# KiCad board PC110.kicad_pcb (continued)
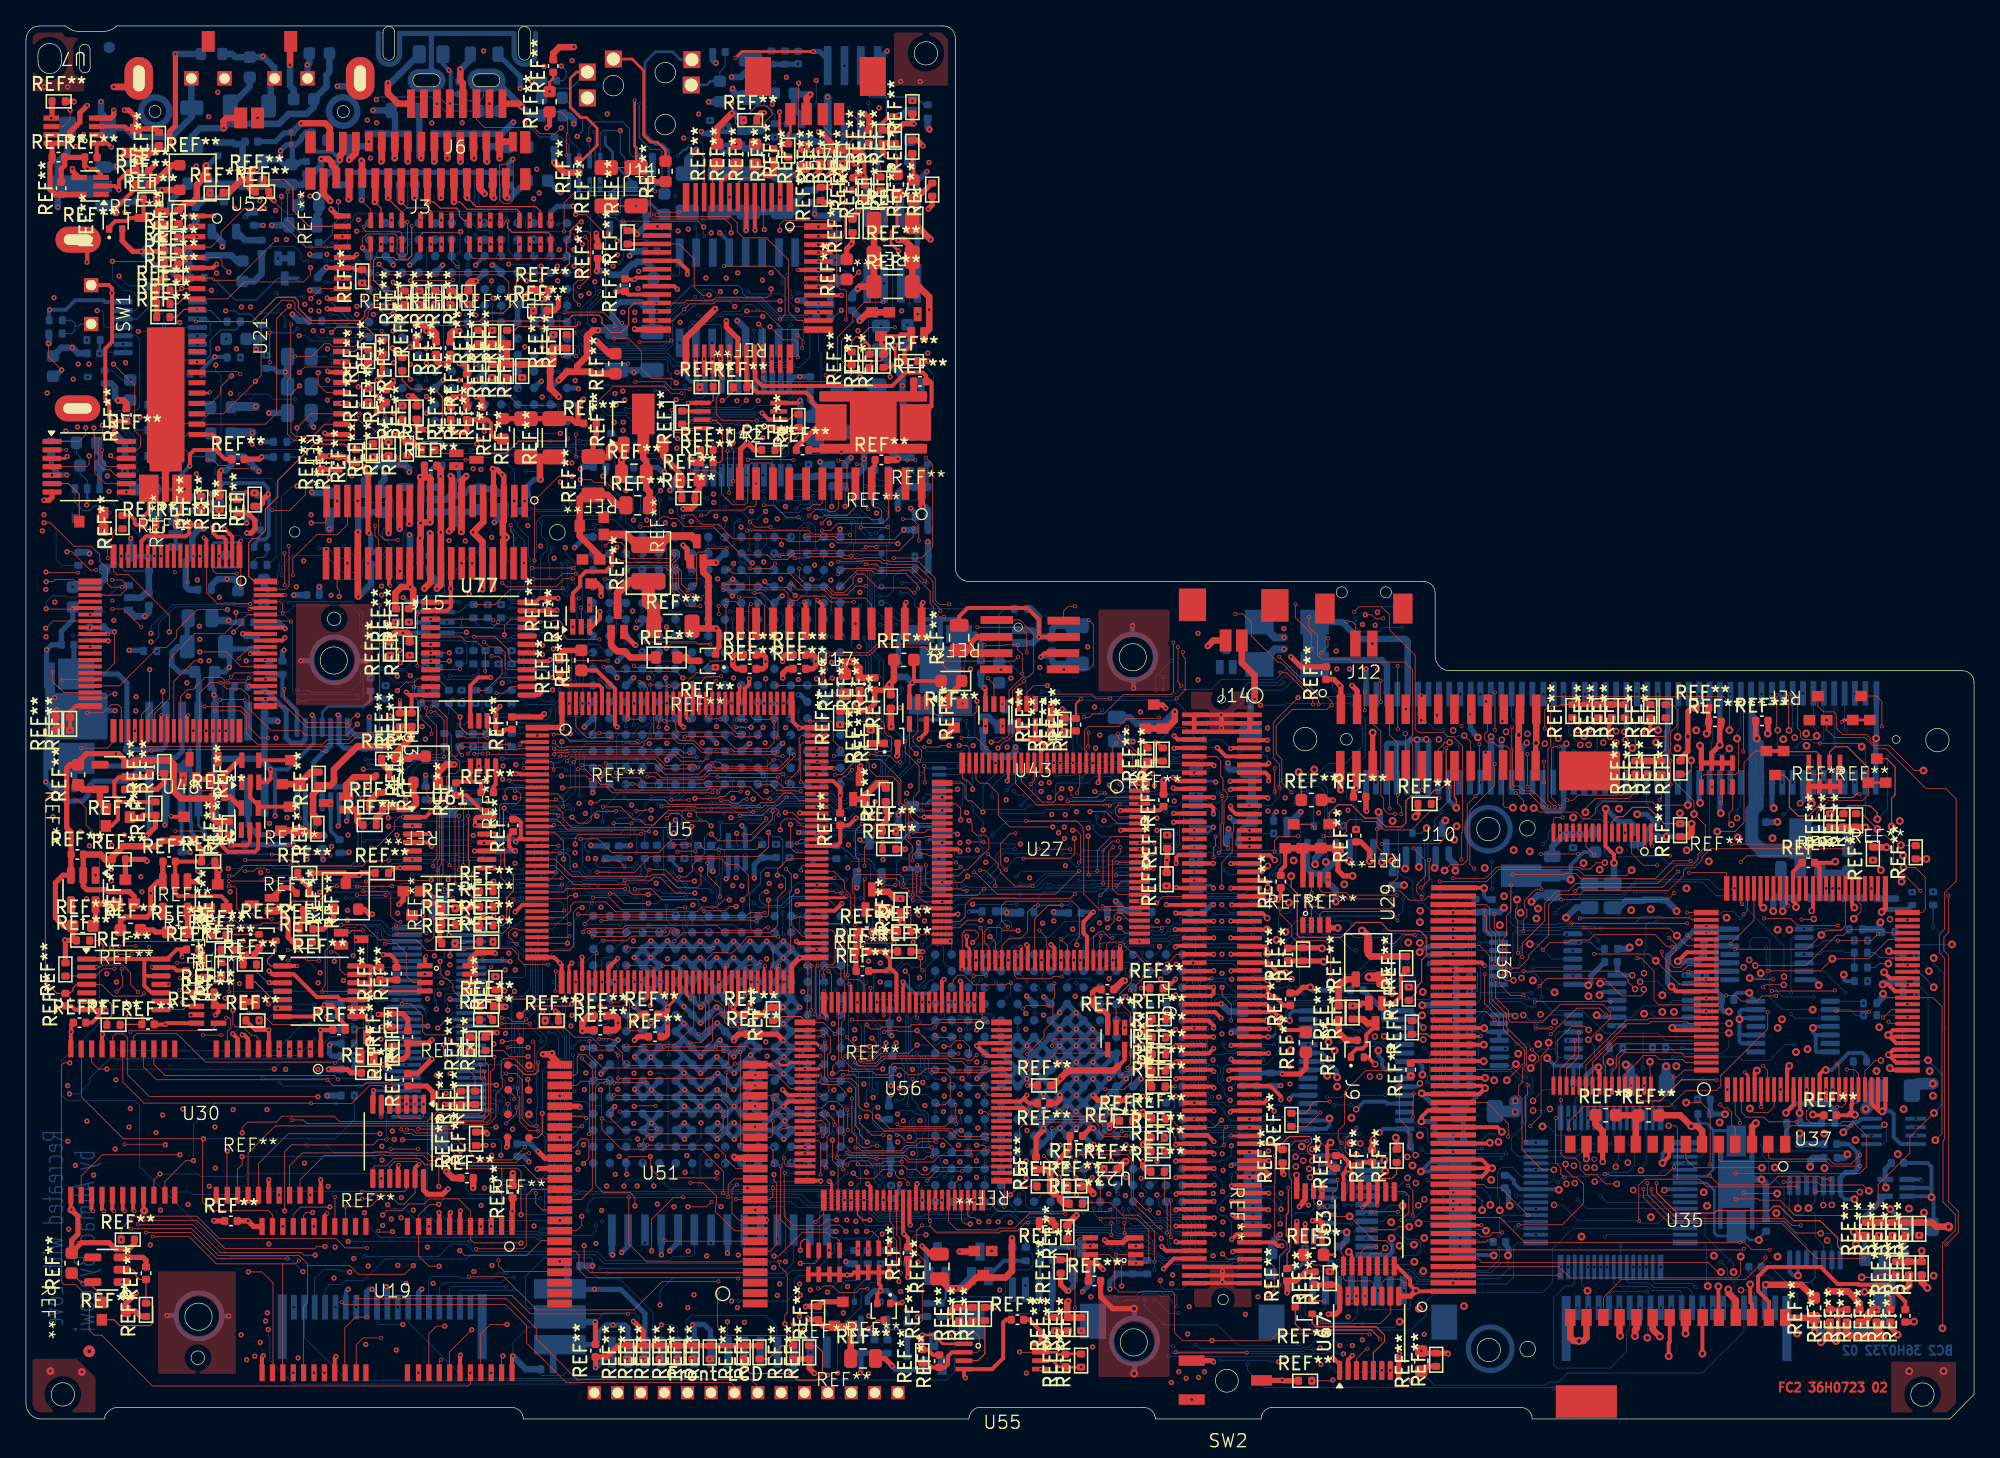
[diagram p0: board, top side]
## Routing (per net, layer and track width the routed paths; a pad name or vN(x,y) marks a point on that pad's centre or on a via; arc(x,y) is an arc through that point) (continued)
  BC2 w0.08: REF**#694.1 22.97,90.67 23.61,91.31 23.61,92 24.07,92.46 v1(24.07,93.81) ; REF**#672.1 41.38,101.81 42.88,100.31 42.88,99.27 v1(42.45,98.84) ; REF**#861.2 36.23,56.76 36.23,56.91 36.44,57.12 v11(38.97,57.12) ; SW1.2 4.23,84.38 4.07,84.22 3.77,84.22 ; 7.48,84.77 8.58,84.77 9.42,85.61 REF**#537.2 ; REF**#710.2 64.93,31.54 v11(64.91,31.56) ; REF**#570.1 11.21,73.11 10.63,72.53 8.81,72.53 8.37,72.09 REF**#557.2 ; REF**#553.1 120.69,45.05 ; REF**#635.2 49.72,44.62 49.44,44.9 49.44,45.38 49.72,45.66 49.72,45.67 50.29,45.67 50.54,45.92 50.54,46.76 50.86,47.08 51.39,47.08 51.65,46.82 51.65,46.48 v11(52.01,46.12) ; 133.68,11.73 134.39,11.73 135.6,10.52 137.44,10.52 137.8,10.88 REF**#859.11 ; 135.63,22.8 135.6,22.8 ; 66.43,73.1 REF**#705.1 ; REF**#592.2 12.75,74.18 12.22,74.71 REF**#570.2 ; REF**#752.2 15.07,84.56 14.21,85.42 U10.9 ; REF**#795.2 33.42,62.19 33.99,62.76 REF**#780.2 ; REF**#605.1 63.81,9.91 64.84,10.94 REF**#555.1 ; v1(57.18,45.2) 57.52,44.86 58.07,44.86 58.29,44.64 58.29,42.7 58.06,42.47 56.97,42.47 56.59,42.09 56.59,41.29 55.73,40.43 55.73,39.26 55.8,39.19 55.8,37.79 56.1,37.49 U1.L2 ; REF**#534.2 REF**#846.2 57.68,100.49 56.87,101.3 56.87,101.5 56.53,101.85 REF**#834.1 ; REF**#477.2 46.75,97.27 46.49,97.53 46.49,99.43 45.96,99.96 43.8,99.96 43.35,99.51 v1(43.35,98.59) ; REF**#796.2 17.47,71.18 17.34,71.31 REF**#452.4 ; v5(99.53,21.23) 99.84,21.23 100.3,20.77 100.94,20.77 101.27,20.44 101.27,18.86 101.81,18.32 101.81,17.51 101.33,17.04 100.23,17.04 ; v11(7.96,77.33) 7.96,76.83 8.58,76.21 REF**#567.3 ; v1(44.06,83.9) 44.18,83.79 ; REF**#558.2 60.37,84.86 60.18,85.05 58.02,85.05 56.6,86.47 55.48,86.47 55.18,86.77 55.18,87.06 54.89,87.35 51.27,87.35 49.45,85.53 v11(49.41,85.53) ; REF**#798.2 32.29,100.79 31.21,101.87 27.19,101.87 v1(26.99,101.67) ; 16.13,104.94 16.14,104.95 ; REF**#749.2 11.59,78.66 12.01,79.08 12.01,79.64 11.76,79.89 11.75,79.89 11.75,81.18 12.17,81.6 13.83,81.6 14.19,81.96 14.19,83.14 14.98,83.93 16.16,83.93 16.52,84.29 REF**#752.1 ; v1(41.25,104.26) 41.6,103.91 41.6,103.35 41.39,103.14 REF**#776.1 ; REF**#625.1 3.52,84.67 3.77,84.42 3.77,84.22 ; 9.75,78.24 REF**#749.3 ; REF**#860.2 32.58,56.18 31.92,56.84 v11(31.33,56.84) ; v3(146.95,33.27) 146.95,33.31 145.41,34.85 144.86,34.85 144.58,35.13 REF**#593.2 144.03,35.71 143.89,35.57 142.79,35.57 142.43,35.93 REF**#510.1 ; REF**#680.2 53.44,103.81 53.86,104.23 REF**#788.1 ; REF**#588.2 46.6,96.26 46.13,96.73 46.13,97.2 45.78,97.55 v1(45.78,99.29) 44.5,99.29 44.23,99.02 REF**#636.4 ; 78.1,10.04 J13.2 ; v1(62.06,70.31) 62.07,70.32 REF**#472.2 ; REF**#574.2 17.55,66.12 17.83,66.4 18.29,66.4 18.58,66.69 REF**#613.1 ; REF**#560.1 14.41,87.94 16.12,86.23 17.74,86.23 19.4,87.89 REF**#589.3 ; 3.77,84.22 3.77,83.88 3.53,83.64 REF**#841.1 ; REF**#746.1 60.11,44.33 58.86,44.33 REF**#563.2 ; REF**#815.1 141.38,37.73 ; REF**#567.2 13.35,76.71 14.23,77.59 REF**#677.2 ; 37.56,106.77 37.6,106.81 ; v11(26.42,50.43) 28.17,50.43 28.94,51.2 31.89,51.2 32.23,51.54 REF**#717.1 ; 2.44,94.99 2.45,94.98 REF**#766.2 2.5,94.98 2.49,94.99 ; v1(63.1,70.32) 63.09,70.33 REF**#472.1 ; 136.6,21.99 v3(136.62,22.01) ; v11(43.78,99.18) 43.84,99.12 43.84,93.04 44.3,92.58 45.42,92.58 REF**#842.2 ; v1(62.8,85.44) 62.22,84.86 REF**#463.1 ; v1(21.68,104.35) 21.69,104.34 ; REF**#532.1 65.34,42.42 65.34,42.73 64.91,43.16 63.87,43.16 63.26,43.77 63.14,43.77 62.72,44.19 REF**#551.2 ; 48.22,86.2 REF**#479.1 ; 34.89,102.48 35.23,102.48 ; REF**#586.1 21.25,74.13 22.6,75.48 26.28,75.48 U23.B13 ; J11.4 41.99,102.55 40.3,102.55 39.72,101.97 REF**#672.2 ; 138.17,40.18 138.2,40.15 ; 138.3,42.22 REF**#488.1 ; REF**#650.2 12.48,75.95 12.24,75.71 REF**#567.1 ; REF**#746.3 61.35,43.05 61.47,43.17 REF**#551.1 ; REF**#573.1 3.74,75.37 REF**#698.1 3.88,74.42 4.17,74.14 REF**#653.2 4.17,72.88 4.72,72.32 REF**#637.2 ; REF**#655.1 146.9,37.88 v11(146.91,37.87) ; REF**#770.1 75.36,62.43 74.96,62.03 REF**#829.3 74.96,58.28 ; REF**#851.1 7.6,65.35 6.9,66.05 6.9,66.87 6.36,67.41 REF**#615.2 ; 69.45,71.85 REF**#459.1 ; REF**#528.1 63.09,73.63 ; 142.65,40.1 REF**#703.1 ; REF**#637.1 3.77,70.64 4.41,70 4.9,70 5.24,70.34 5.93,70.34 v11(6.44,69.83) ; 41.83,96.96 41.83,98.17 41.2,98.79 REF**#772.1 39.57,98.79 v1(38.43,99.93) ; 79.1,10.04 J13.1 ; 81.25,13.21 REF**#821.2 ; 66.38,6.1 REF**#699.2
  BC2 w0.1: 31.43,102.46 31.43,102.27 32.39,101.31 33.58,101.31 33.85,101.58 34.95,101.58 35.23,101.86 35.23,102.48 ; 53.43,101.5 REF**#680.1
  BC2 w0.15: v11(51.11,98.11) 50.81,97.81 50.67,97.81 v11(50.22,97.36)
  BC2 w0.2: REF**#576.1 48.97,92.83 48.09,93.71 REF**#503.2 47.78,94.36 48.55,95.13 49.07,95.13 49.51,95.57 49.51,97.74 49.04,98.21 48.51,98.21 47.68,99.04 47.68,104.55 48.49,105.36 49.8,105.36 50.41,104.75 J11.1 ; v1(4.68,70.43) 4.72,70.47 REF**#637.2 ; REF**#794.2 70.85,9.31 REF**#603.3 ; REF**#577.1 79.1,10.04 ; 46.24,18.87 U1.C16 ; 57.63,64.18 57.51,64.3 57.14,64.3 v1(56.9,64.54) ; J11.2 52.45,102.8 52.74,103.09 REF**#680.2 ; v1(67.03,28.98) 66.74,28.69 REF**#619.2 ; v11(5.68,82.12) 5.68,83.12 ; U9.11 22.82,54.46 23.27,54.91 26.04,54.91 26.54,55.41 ; REF**#774.3 69.45,71.85 ; 26.54,55.41 26.62,55.49 REF**#750.1 ; 26.54,55.41 REF**#783.1 ; REF**#651.2 121.98,28.98 v11(121.88,29.08) ; REF**#774.1 66.43,73.1 ; REF**#663.1 78.1,10.04 ; v13(76.99,10.29) J13.3 ; v11(44.62,98.92) 44.62,98.2 45.18,97.64 45.18,96.84 46.65,95.37 REF**#484.2 45.55,94.99 45.14,94.58 REF**#597.2
  BC2 w0.3: REF**#502.1 32.48,47.64 ; 32.48,47.64 REF**#502.2 ; 32.48,47.64 32.41,47.71 REF**#578.1 ; REF**#853.23 99.78,26.9 v3(100.23,26.45) ; v1(78.59,7.83) 79.04,8.28 J13.1 ; REF**#577.2 81.25,13.21 ; v11(129.38,33.5) 129.32,33.56 U41.2 ; v3(120.98,31.11) 121.13,30.96 U41.9 ; U14.2 108.16,19.14 108.09,19.07 v3(107.44,19.07) 108.16,19.79 108.79,19.79 108.94,19.63 109.36,19.63 109.51,19.79 U14.1 110.32,19.63 ; REF**#853.8 104.73,26.9 104.47,27.16 104.47,27.68 104.17,27.98 v3(104.17,28.4) ; 55.09,66.72 55.84,65.97 v1(55.96,65.97) ; v11(49,73.72) 49.72,73.72 49.85,73.59 REF**#582.2 ; REF**#732.1 31.19,72.11 31.19,73.17 31.46,73.44 REF**#791.2 ; REF**#613.2 17.58,67.42 17.94,67.78 18.41,67.78 18.7,68.07 18.7,71.22 v1(18.66,71.26) 18.66,71.72 18.26,72.12 15.26,72.12 14.66,71.52 REF**#452.3 ; REF**#791.1 33.08,73.3 33.36,73.02 33.36,72.48 33.05,72.17 REF**#606.2 ; REF**#524.1 REF**#524.2 11.52,68.21 REF**#612.1 REF**#612.2 12.38,70.15 12.5,70.03 REF**#482.1 13.44,70.03 13.61,70.2 13.61,70.46 13.81,70.66 REF**#452.2 ; v3(121.25,33.56) U41.13 ; U9.3 23.47,45.32 REF**#747.2 ; REF**#473.1 13.6,80.91 v1(14.54,81.85) 15.45,81.85 REF**#715.2 ; v3(107.56,26.53) 107.56,27.2 107.21,27.55 REF**#853.7 ; v11(21.04,87.77) 20.92,87.89 REF**#589.3 ; REF**#625.2 1.77,84.68 1.77,85.43 v1(1.82,85.48) 3.07,85.48 3.8,86.21 5.97,86.21 6.11,86.07 7.48,86.07 ; REF**#857.2 12.04,90 11.39,89.35 10.59,89.35 10.28,89.04 REF**#526.2 ; REF**#471.3 75.32,12.19 REF**#835.1 REF**#514.1 ; v1(95.71,20.66) 95.33,20.29 U8.20 ; REF**#627.1 19.75,55.73 20.87,54.61 U9.8 ; v1(4.7,89.14) 4.7,90.2 ; v3(100.99,26.33) 100.99,26.82 100.65,27.16 100.11,27.16 99.72,27.55 REF**#853.24 ; REF**#501.1 98.01,11.64 REF**#634.2 ; U9.2 24.12,45.78 v1(24.04,45.7)
  BC2 w0.4: REF**#810.2 9,59.24 v1(7.94,59.24) ; v1(13.88,96.6) 14.02,96.6 REF**#756.1 ; REF**#793.4 141.66,15.62 REF**#476.2 ; 28.78,106.77 31.22,106.77 ; 31.22,106.77 31.22,104.05 31.43,103.84 ; 31.22,106.77 37.56,106.77 ; 20.23,91.98 REF**#659.2 ; REF**#454.5 110.17,35.04 REF**#676.2 ; v1(52.02,99.21) 52.17,99.06 52.68,99.06 REF**#457.1 ; v1(26.41,68.27) 26.55,68.13 26.55,66.84 REF**#572.1 ; v1(81.38,9.8) 81.97,10.39 REF**#821.3 ; v11(73.56,58.43) 73.56,60.08 73.15,60.49 X1.4 ; J8.59 109.58,47.68 v3(110.17,47.09) ; v1(33.46,104) 33.46,103.59 33.38,103.51 REF**#642.1 ; 61.45,55.26 62.02,55.83 v12(62.17,55.83) ; v3(133.32,52.43) 133.3,52.41 132.88,52.41 ; v3(133.32,52.43) 133.67,52.08 133.67,49.07 J8.89 133.65,49.03 133.65,47.13 133.42,46.9 133.2,46.9 132.88,47.22 J8.88 132.88,52.41 ; v3(133.32,52.43) 133.32,53.91 132.88,54.35 ; v3(133.32,52.43) 133.27,52.38 133.27,46.74 ; REF**#573.2 1.95,73.37 2.57,72.75 v1(3.14,72.75) ; v1(18.08,75.23) 18.15,75.3 REF**#814.2 ; v1(64.87,6.93) 65.36,6.44 REF**#506.2 ; REF**#733.1 141.64,14.16 REF**#476.1 ; v1(11.07,98.12) 10.77,97.82 REF**#594.3 ; REF**#725.2 42.85,73.37 v1(42.69,73.21) ; 106.38,52.08 105.64,52.08 ; 106.38,52.08 106.65,52.35 v5(107.14,52.35) ; 106.38,52.08 J8.55 ; 105.64,52.08 105.58,52.02 J8.54 ; 105.64,52.08 104.9,52.08 104.78,51.96 J8.53 ; U1.B10 44.29,26.65 v1(44.29,26.59) ; REF**#541.1 65.83,23.09 v1(65.61,23.31) ; U1.B13 44.97,23.7 v1(45.35,24.08) ; REF**#543.1 21.65,43.13 v1(21.63,43.11) ; v13(22.28,45.69) 22.28,46.35 22.17,46.46 U9.5 22.17,50.62 23.47,51.92 U9.12 ; 46.08,72.36 REF**#648.2 ; U1.B9 45.58,29.21 v1(45.61,29.21) ; v1(20.62,44.23) 20.6,44.25 REF**#840.1 ; 64.31,3.61 REF**#535.1 REF**#506.1 REF**#699.1 ; 60.18,55.26 59.62,55.82 v11(59.48,55.82) ; REF**#777.1 41.09,94.54 v1(41.2,94.54) ; REF**#747.1 24.82,43.62 v1(24.88,43.68) ; v1(66.63,25.67) 66.65,25.69 66.65,26.86 REF**#619.1 ; J8.57 108.05,49.08 108.05,52.19 v5(107.86,52.38) 107.83,52.35 v5(107.14,52.35) ; REF**#624.2 12.65,43.69 v1(12.66,43.68) ; REF**#605.3 64.31,7.21 64.24,7.14 64.24,6.16 REF**#535.2 ; 132.88,54.35 132.88,52.41 ; 132.88,54.35 J8.13 ; U23.N12 42.55,78.18 v1(42.95,78.58) ; X1.1 67.53,60.49 67.2,60.16 v12(67.2,58.14) ; REF**#478.1 REF**#627.1 ; 136.6,21.18 136.6,21.99 ; 67.89,82.77 67.01,82.77 v1(66.96,82.72) ; v3(134.63,47.07) 134.48,47.22 J8.90 ; REF**#693.1 8.91,89.97 v1(8.89,89.97) 10.14,88.72 REF**#526.2 ; U1.A9 42.9,28.6 v1(42.87,28.57) ; v1(66.62,24.97) 66.47,24.82 REF**#541.2 ; 36.73,102.59 36.73,103.17 ; v5(107.14,52.35) 107.18,52.31 J8.56 ; v1(49.18,73.01) 48.98,73.01 48.66,73.33 REF**#511.1 ; REF**#857.1 12.53,88.6 12.54,88.59 12.54,88.1 REF**#560.2 11.6,87.94 11.28,88.26 REF**#526.1 ; REF**#698.2 5.46,74.57 5.72,74.32 REF**#653.1 5.72,73.06 5.66,73 5.67,72.99 REF**#637.3 ; v1(79.82,54.72) 80.12,54.42 REF**#462.2 ; REF**#623.2 2.27,80.36 v1(2.75,80.84) ; REF**#482.1 13,70.05 ; U26.24 59.19,80.32 v1(59.62,80.32) REF**#507.1 ; REF**#611.2 REF**#543.2 21.65,45.83 21.52,45.96 U9.6 ; REF**#481.1 18.19,56.43 20.04,54.58 20.04,52.47 20.42,52.09 21.23,52.09 21.52,52.38 U9.9 ; REF**#611.1 22.85,43.15 v1(22.9,43.1) ; 135.63,21.18 135.63,22.8 ; U23.N11 42.5,79.45 ; REF**#851.2 9.38,66.46 REF**#615.3 8.07,66.47 v1(8.07,67.86) ; v11(67.89,4.82) REF**#490.1 ; 34.66,87.67 U23.H4 ; 53.2,52.08 52.56,52.72 ; REF**#794.2 REF**#519.2 ; REF**#602.3 66.38,6.1 ; U23.M11 41,80.04
  BC2 w0.5: v1(76.22,51.77) 76.22,51.42 75.82,51.02 74.43,51.02 73.72,51.73 REF**#825.1 ; v1(54.43,102.52) 54.43,102.39 54.98,101.85 REF**#834.1 ; REF**#841.2 1.77,82.91 v1(1.74,82.88) ; REF**#615.1 6.06,64.73 REF**#622.5 5.45,64.12 v11(3.61,64.12) ; REF**#703.2 REF**#729.1 ; 48.22,85.49 48.22,86.2 ; 48.22,85.49 47.88,85.49 47.3,86.07 45.66,86.07 45.17,85.58 45.17,84.91 45.49,84.59 45.49,83.79 45.38,83.9 v1(44.06,83.9) ; 48.22,85.49 REF**#542.2 ; REF**#657.2 6.55,79.8 6.86,79.49 6.86,78.73 v1(7.1,78.49) 7.12,78.52 REF**#748.2 ; Q1.1 117.56,44.11 118.49,45.04 REF**#848.2 120.38,45.04 120.58,45.24 REF**#553.1 ; U52.8 12.74,101.08 REF**#730.2 12.77,100.35 11.21,98.79 10.89,98.79 10.88,98.8 8.35,98.8 7.66,99.49 REF**#590.1 6.3,100.14 5.78,100.66 v1(5.78,101.51) ; v1(51.65,97.82) 50.94,97.11 REF**#669.2 ; REF**#689.1 56.42,97.92 55.34,97.92 v11(55.08,98.18) ; REF**#787.2 62.85,76.7 62.29,77.26 REF**#740.1 60.77,78.16 60.4,78.53 REF**#507.2 ; v1(2.45,93.38) 2.45,96.85 3.2,97.6 REF**#590.2 ; REF**#607.2 15.12,90.69 v1(15.12,90.33) ; REF**#857.3 14,89.67 15.82,89.67 16.25,89.24 REF**#759.2 ; REF**#716.1 140.02,20.12 v3(140.3,20.4) ; REF**#607.1 16.87,90.84 REF**#768.1 ; 142.75,37.74 142.75,38.2 v3(142.84,38.28) ; 142.75,37.74 141.46,37.74 REF**#815.1 ; 142.75,37.74 142.92,37.58 REF**#726.2 ; REF**#825.2 74.15,54.1 REF**#675.1 ; REF**#736.2 60.12,94.71 59.33,93.92 59.33,93.24 59.11,93.02 REF**#679.1 55.65,93.02 REF**#738.1 ; 12.46,95.2 11.17,93.92 REF**#693.3 ; v1(22.02,71.41) 22.09,71.35 REF**#691.2 ; 16.68,98.24 REF**#690.2 ; 16.68,98.24 16.07,98.24 15.95,98.36 REF**#756.2 ; 16.68,98.24 REF**#621.1 ; REF**#745.1 36.44,69.46 v1(36.08,69.1) ; 17.74,83.28 17.75,83.29 REF**#741.2 ; 17.74,83.28 v1(17.74,82.42) ; 17.74,83.28 17.69,83.23 16.97,83.23 ; REF**#640.2 20.62,102.44 20.34,102.72 v1(20.34,104.36) ; REF**#526.3 11.08,90.02 11.67,90.61 REF**#693.2 12.77,91.73 13.08,92.04 REF**#600.2 ; REF**#549.1 69.45,100.24 69.45,99.51 v10(69.59,99.37) ; REF**#854.1 7.2,96.73 v1(7.01,96.54) 6.95,96.48 REF**#766.1 ; REF**#757.3 142.65,40.1 ; 36.73,102.59 v1(38.2,101.12) 38.8,100.52 39.62,100.52 REF**#801.2 ; REF**#800.1 REF**#729.2 ; 138.3,42.22 138.43,42.08 140.22,42.08 REF**#631.1 ; v3(137.77,6.68) 142.44,6.68 143.14,7.38 REF**#733.2 ; v5(112.85,52.59) 112.85,49.08 J8.63 ; 138.5,21.18 136.64,21.18 ; REF**#744.2 34.23,104.75 33.48,104 v1(33.46,104) ; v3(107.54,31.89) 110.11,31.89 REF**#668.2 ; REF**#460.2 21.83,104.5 v1(21.68,104.35) ; v1(61.16,73.76) 61.39,73.53 REF**#528.2 ; v1(27.88,102.94) 28.07,102.94 REF**#480.2 ; REF**#751.2 REF**#493.1 14.11,94.19 14.16,94.13 ; REF**#759.1 17.58,87.67 18.15,88.24 REF**#768.2 ; REF**#631.2 140.35,44.98 139.86,45.47 137.43,45.47 136.67,44.71 REF**#488.2 ; REF**#675.2 75.91,53.34 v1(77.14,53.34) ; REF**#668.2 REF**#608.2 REF**#676.2 ; REF**#668.2 REF**#778.2 REF**#579.2 REF**#564.2 REF**#554.2 REF**#708.2 REF**#816.2 ; v1(6.81,76) 7.63,75.18 REF**#569.2 ; 63.09,73.63 v1(63.54,74.08) ; 14.16,94.13 13.84,94.13 REF**#600.1 ; 14.16,94.13 REF**#607.3 ; REF**#622.2 8.86,63.29 9.22,63.65 REF**#646.2 REF**#851.1 ; v1(92.06,31.99) 92.66,31.4 REF**#568.1 ; v1(63.99,40.94) 63.99,41.83 REF**#532.2 ; REF**#738.1 REF**#822.1 ; REF**#738.1 55.47,92.84 v1(55.47,91.6) ; REF**#492.2 9.75,78.24 ; v1(52.58,101.5) 53.43,101.5 ; 16.13,104.94 15.88,105.19 15.12,105.19 ; REF**#641.1 18.33,64.21 v11(18.62,63.92) ; v1(18.93,91.98) 20.23,91.98 ; REF**#512.2 26.03,72.36 27.19,73.52 29.24,73.52 29.52,73.24 v1(29.52,72.97) ; REF**#732.2 32.38,70.86 32.65,71.13 REF**#606.2 33.58,71.13 34.11,71.66 REF**#845.1 36.11,71.66 REF**#745.2 ; v1(27.61,72.87) 27.61,72.38 27.36,72.13 REF**#775.2 ; REF**#486.2 v1(11.51,105.19) ; v11(19.43,89.44) REF**#589.1 ; REF**#488.1 138.17,40.18 ; 21.69,104.34 U52.5 ; 16.14,104.95 REF**#468.2 18.2,104.95 v1(18.26,105.01) 19.13,104.14 19.13,103.32 U52.6 18.85,103.02 18.85,101.35 REF**#755.1 ; v1(4.89,66.69) 4.78,66.8 REF**#591.1 ; REF**#667.2 v1(20.64,63.49)
  BC2 w0.7: v1(17.43,76.01) 15.87,76.01 REF**#650.1 ; v1(23.38,68.6) REF**#691.1 ; REF**#677.1 15.86,78.02 v1(17.7,78.02)
  BC2 w0.9: 136.67,43.75 REF**#488.2
  BC2 w1: 133.27,47.19 132.93,46.85 132.93,44.56 133.74,43.75 136.67,43.75
  vias: v1(2.08,46.4) v1(2.23,62.95) v1(3.97,76.45) v1(4.19,45.25) v1(4.89,44.18) v1(30.85,78.79) v1(35.25,105.42) v1(50.23,91.55) v1(67.15,21.34) v1(78.19,48.36) v1(78.82,49.04) v1(82.71,52.7) v1(100.92,59.18) v2(30.72,34.28) v2(144.93,34.96) v3(146.94,11.04) v7(4.87,5.21) v11(10.06,78.25) v11(10.06,76.23) v11(60.41,100.98)
